# Altium PCB SuperKnobLite-v1.3.PcbDoc
Units mm, origin at the board's own origin, x right, y up, seen from the top; angles counter-clockwise.
Board outline 42 x 23 mm, 2 copper layers (Layer 1, Layer 4), stack 0.325 mm thick; 57 components, 49 nets, 249 pads, 210 vias.
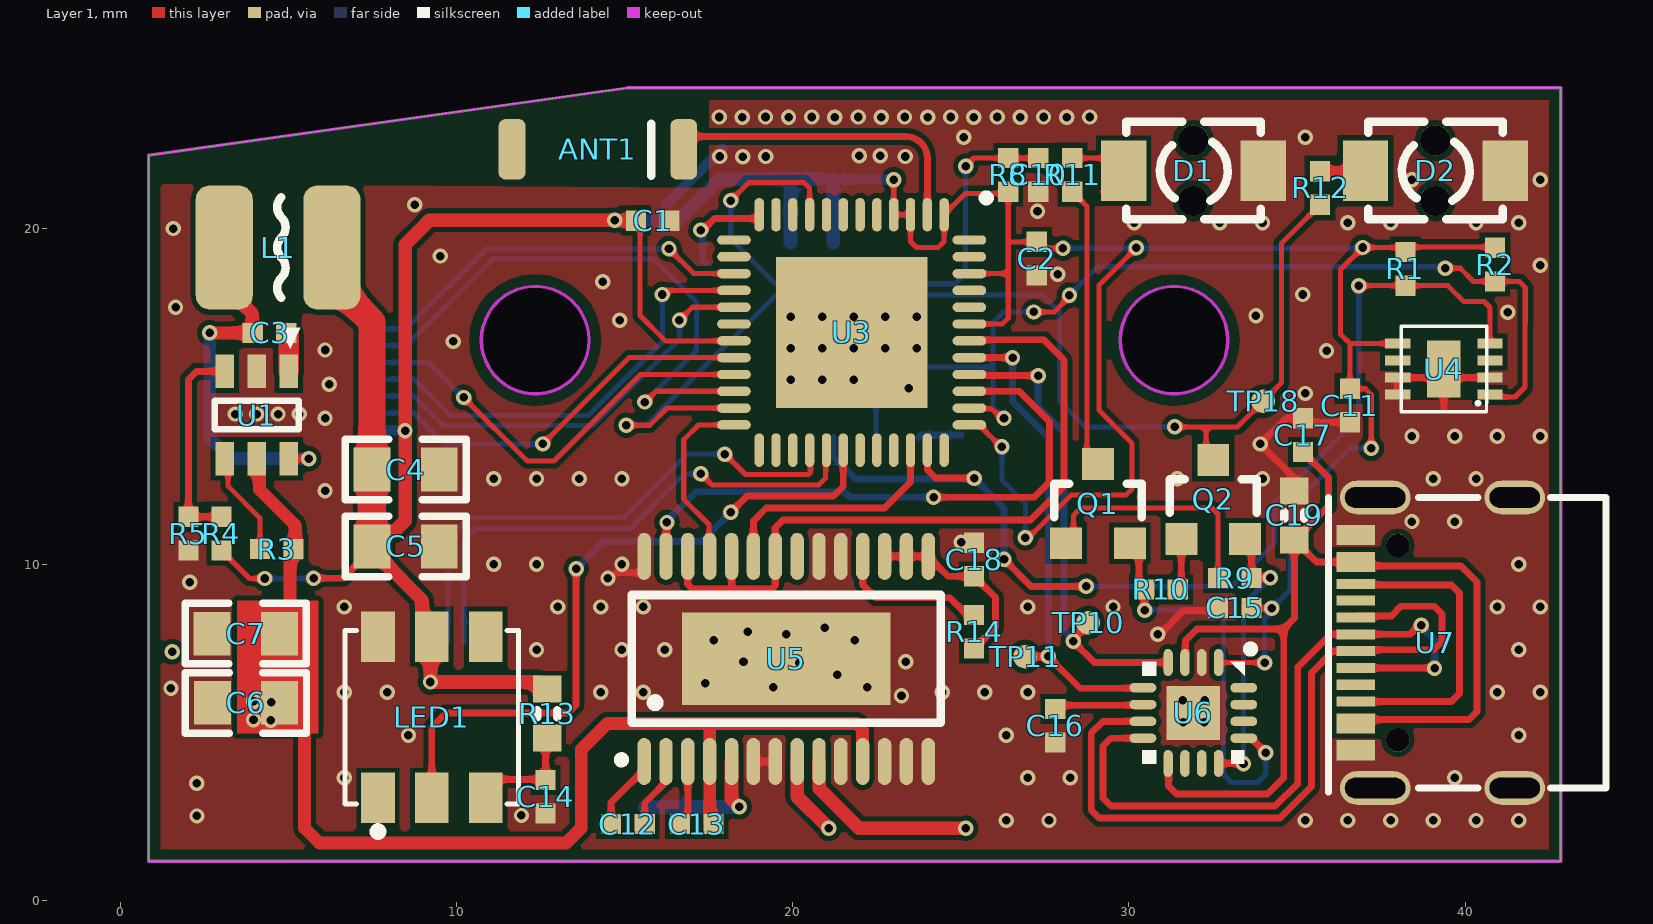
[diagram p0: Layer 1 view]
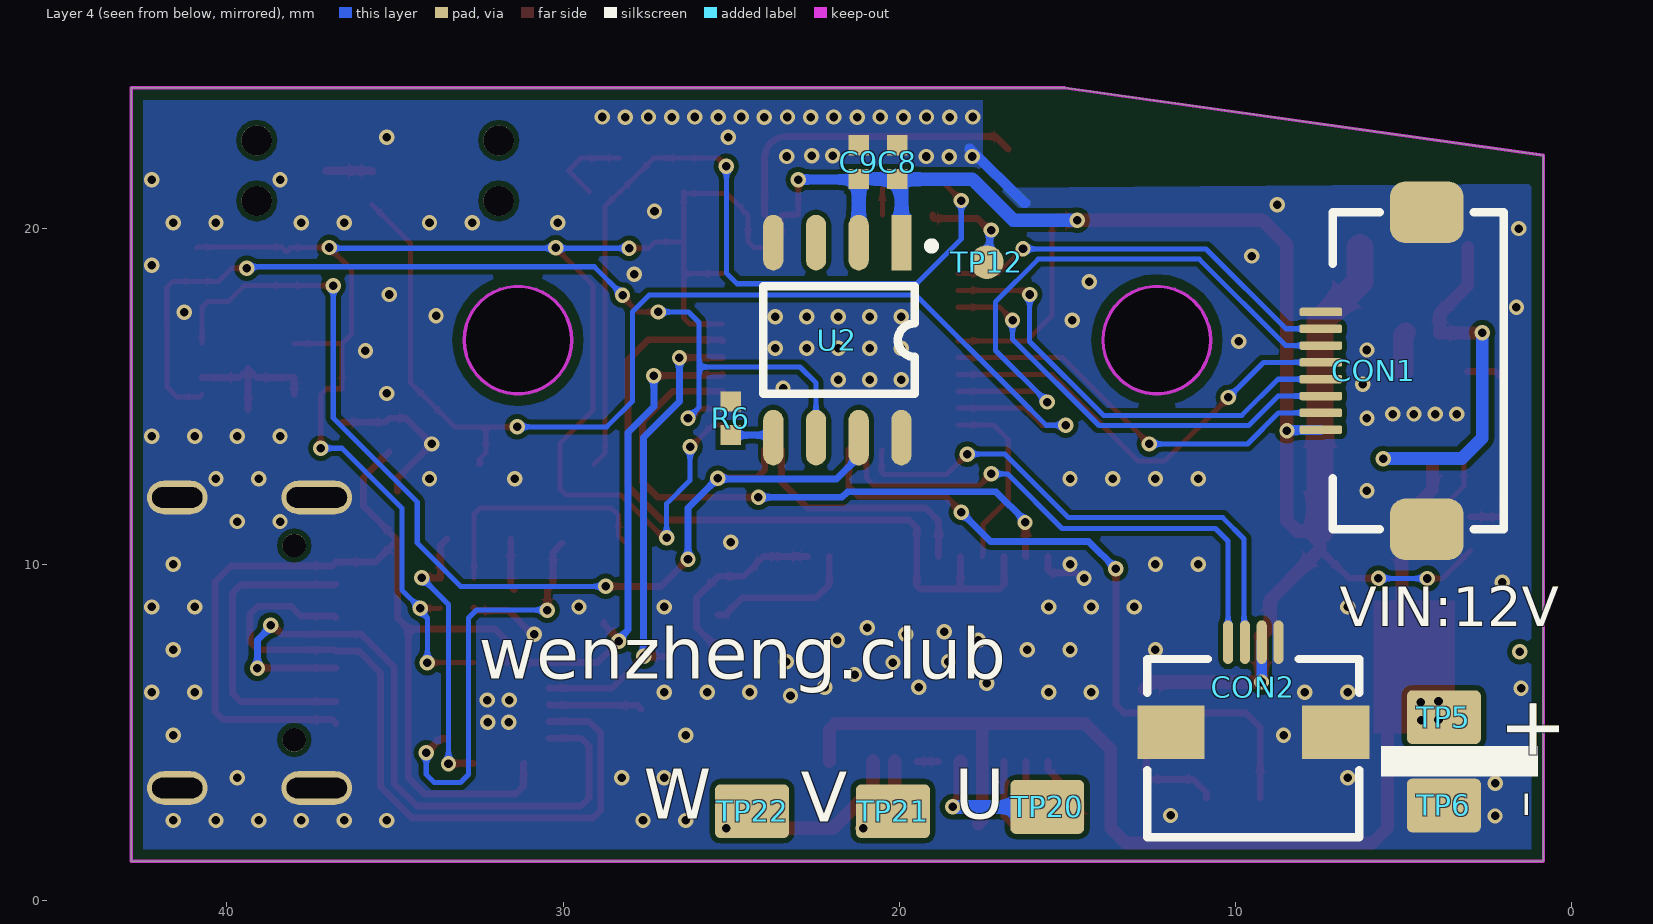
[diagram p1: Layer 4 view, seen from below]
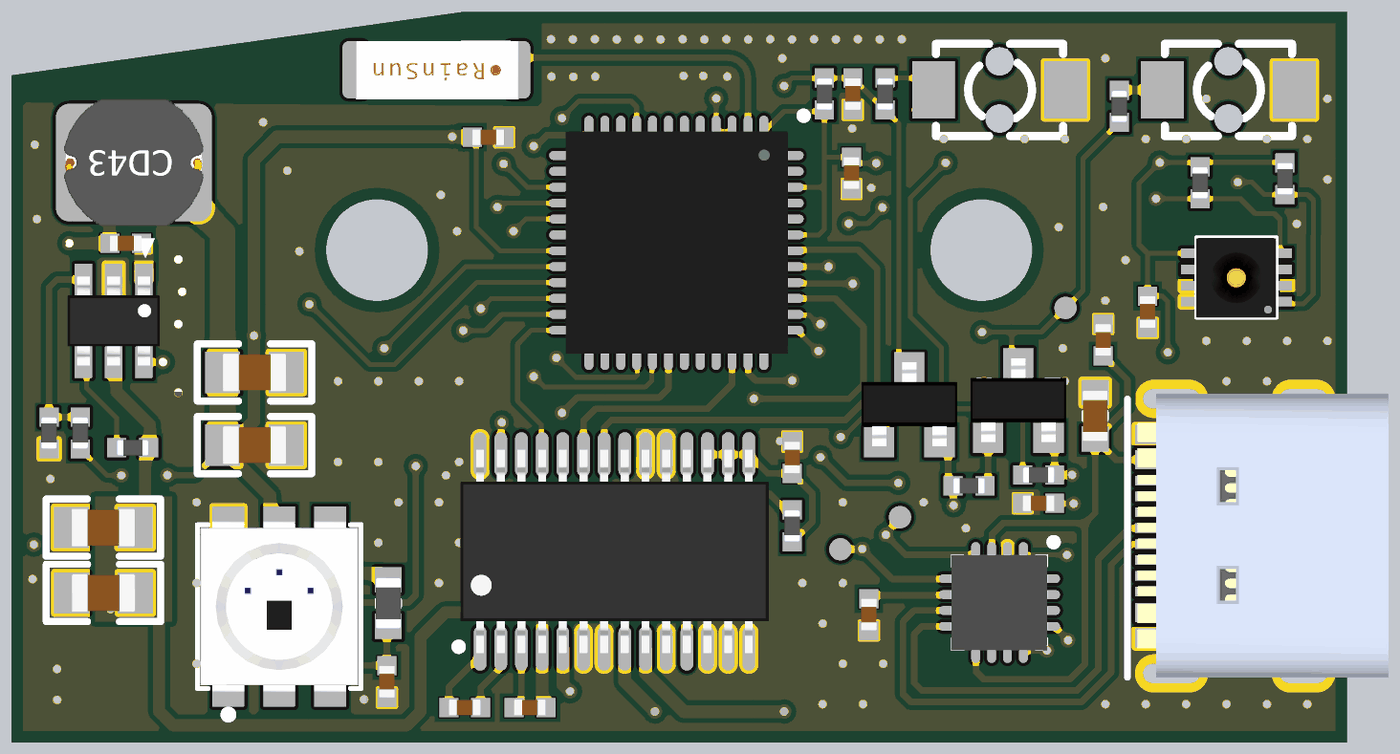
[diagram p2: 3D render of the assembled board from above, using the file's embedded part models]
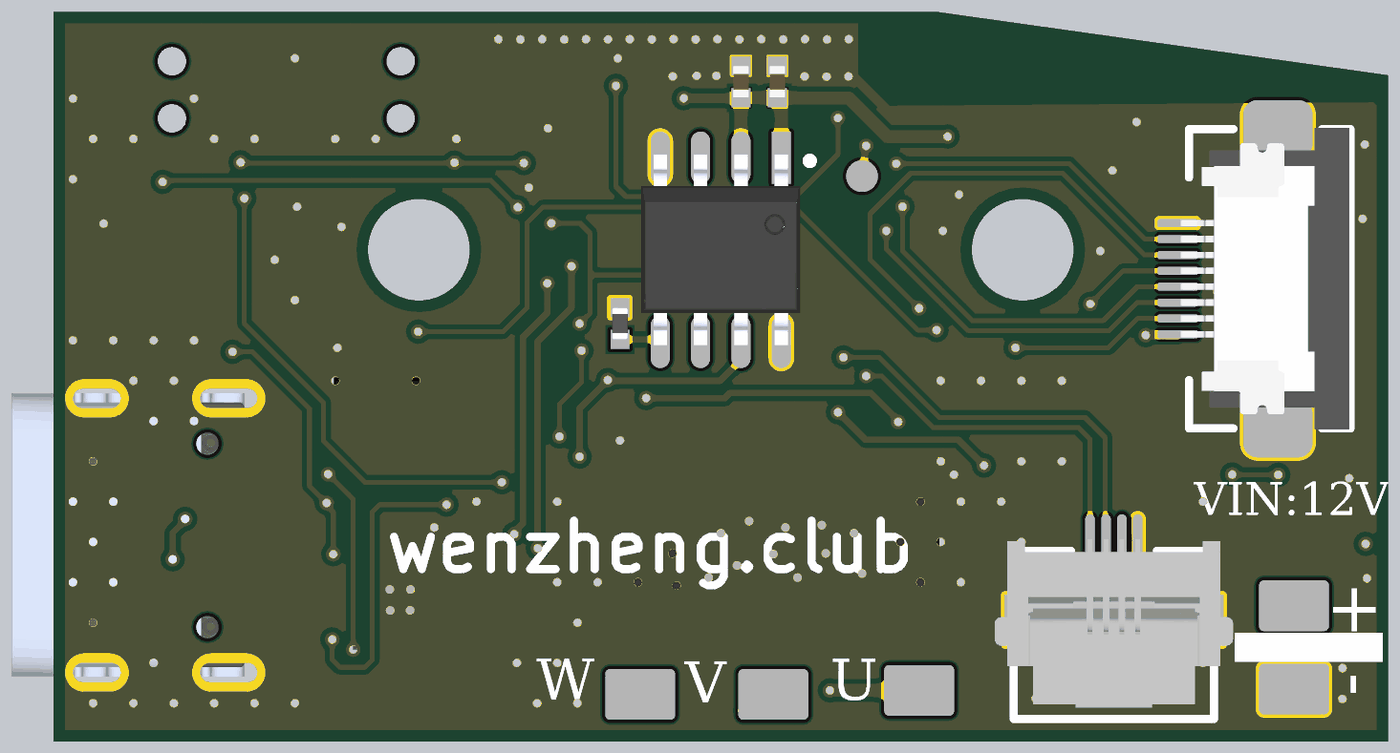
[diagram p3: 3D render of the assembled board from below, using the file's embedded part models]

## Layer stack, top to bottom
Top Solder: solder mask 0.0102, Solder Resist, Dk 3.5
Layer 1: signal copper 0.0356
Dielectric 2: core 0.254, PP-006, Dk 4.2
Layer 4: signal copper 0.0356
Bottom Solder: solder mask 0.0102, Solder Resist, Dk 3.5

## Board outline
0.847,1.177 0.847,22.177 15.077,24.177 42.847,24.177 42.847,1.177
cut-out: 12.347,15.077 cw(c12.347,16.677) 10.747,16.677 cw(c12.347,16.677) 12.347,18.277 cw(c12.347,16.677) 13.947,16.677 cw(c12.347,16.677)
cut-out: 31.347,15.077 cw(c31.347,16.677) 29.747,16.677 cw(c31.347,16.677) 31.347,18.277 cw(c31.347,16.677) 32.947,16.677 cw(c31.347,16.677)

## Design rules (kind name [scope] priority, off if disabled: settings)
Clearance Clearance_UVW1 [InComponent('TP14') vs InComponent('TP15')] p1: gap=0 ignorepadtopadclearanceinfootprint=FALSE
Clearance Clearance_UVW [InComponent('R15') vs InComponent('TP16')] p2: gap=0 ignorepadtopadclearanceinfootprint=FALSE
Clearance Clearance_outline [OnLayer('Keep-Out Layer')] p3: gap=0.305 ignorepadtopadclearanceinfootprint=FALSE except(0: Arc-Hole Track-Hole SMDPad-Hole THPad-Hole Via-Hole Fill-Hole Poly-Hole Region-Hole Text-Hole)
Clearance [All] p4: gap=0.152 ignorepadtopadclearanceinfootprint=FALSE except(0: Arc-Hole Track-Hole SMDPad-Hole THPad-Hole Via-Hole Fill-Hole Poly-Hole Region-Hole Text-Hole; 0.178: SMDPad-SMDPad; 0.203: Arc-Via Track-Via SMDPad-Via THPad-Via Via-Via)
DiffPairsRouting [All] p1: maxlimit=0.254 minlimit=0.203 mostfreqgap=0.203 toplayer_minwidth=0.203 toplayer_maxwidth=0.203 toplayer_prefwidth=0.203 bottomlayer_minwidth=0.203 bottomlayer_maxwidth=0.203 bottomlayer_prefwidth=0.203 maxuncoupledlength=12.7
HoleToHoleClearance [All] p1: gap=0 allowstackedmicrovias=TRUE
MinimumSolderMaskSliver [All] p1: minsoldermaskwidth=0
PolygonConnect [All] p1: connectstyle=Direct reliefconductorwidth=0.254 reliefentries=4 polygonreliefangle="90 Angle" airgapwidth=0.254
RoutingVias [All] p1: holewidth=0.254 width=0.457 viastyle="Through Hole" minholewidth=0.254 minwidth=0.457 maxholewidth=0.254 maxwidth=0.457
SilkToSilkClearance [All] p1: silktosilkclearance=0
SilkToSolderMaskClearance [IsPad] p1: minsilkscreentomaskgap=0 clearancetoexposedcopper=TRUE
SolderMaskExpansion [All] p1: expansion=0.102 istentingtop=FALSE
Width [All] p1: maxlimit=2.54 minlimit=0.152 preferedwidth=0.152
25 further rules are at their usual default settings.

## Components (designator, comment, footprint, x,y, rotation, side; value= is the part's Value field where it differs from the comment)
ANT1 "RAINSUN" ANT-RAINSUN-AN5120 14.224,22.352 r180 top
C1 "1uF/10V" CAPC_0402 15.845,20.229 r180 top value=0.1u
C2 "100nF/25V" CAPC_0402 27.264,19.1 r90 top value=0.1u
C3 "10nF/25V" CAPC_0402 4.445,16.891 r0 top value=0.1u
C4 "22uF/6.3V" CAPC_0805 8.493,12.827 r180 top value=0.1u
C5 "22uF/6.3V" CAPC_0805 8.493,10.541 r180 top value=0.1u
C6 "10uF/16V" CAPC_0805 3.744,5.89 r0 top value=0.1u
C7 "10uF/16V" CAPC_0805 3.738,7.946 r0 top value=0.1u
C8 "100nF/25V" CAPC_0402 20.066,21.971 r270 bottom value=0.1u
C9 "10uF/10V" CAPC_0402 21.212,21.971 r270 bottom value=0.1u
C10 "100nF/25V" CAPC_0402 27.305,21.59 r90 top value=0.1u
C11 "100nF/25V" CAPC_0402 36.576,14.732 r90 top value=0.1u
C12 "10nF/25V" CAPC_0402 15.105,2.286 r180 top value=0.1u
C13 "100nF/25V" CAPC_0402 17.153,2.286 r180 top value=0.1u
C14 "100nF/25V" CAPC_0402 12.656,3.099 r270 top value=0.1u
C15 "100nF/25V" CAPC_0402 33.15,8.712 r180 top value=0.1u
C16 "100nF/25V" CAPC_0402 27.813,5.207 r90 top value=0.1u
C17 "100nF/25V" CAPC_0402 35.179,13.851 r270 top value=0.1u
C18 "470nF/25V" CAPC_0402 25.4,10.152 r270 top value=0.1u
C19 "10uF" CAPC_0603 34.925,11.462 r270 top
CON1 "FPC_0.5mm_8P" FFC_0.5_8 5.207,15.764 r90 bottom
CON2 "FPC_0.5mm_4P" FPC_0.5_4P 9.477,6.352 r180 bottom
D1 "KEY_M" KEY 31.92,21.717 r180 top
D2 "KEY_M" KEY 39.116,21.717 r180 top
L1 "2.2uH/2A" INDUCTOR_CD_43 4.699,19.431 r180 top value=WPN4020H2R2MT
LED1 "WS2812S-W" LED-SMD_6P-L5.0-W5.0-TL 9.271,5.461 r90 top locked
Q1 "MMBT3904" SOT23_3 29.083,11.811 r270 top
Q2 "MMBT3904" SOT23_3 32.512,11.938 r270 top
R1 "10K" RESC_0402 38.227,18.796 r90 top value=22R
R2 "10K" RESC_0402 40.894,18.923 r90 top value=22R
R3 "100K" RESC_0402 4.663,10.461 r180 top value=22R
R4 "100K" RESC_0402 3.014,10.922 r90 top value=22R
R5 "22.2K" RESC_0402 2.032,10.922 r270 top value=22R
R6 "1K" RESC_0402 25.019,14.351 r90 bottom value=22R
R8 "10K" RESC_0402 26.416,21.59 r90 top value=22R
R9 "12K" RESC_0402 33.15,9.601 r0 top value=22R
R10 "12K" RESC_0402 30.958,9.261 r180 top value=22R
R11 "1K" RESC_0402 28.321,21.59 r270 top value=22R
R12 "1K" RESC_0402 35.687,21.201 r270 top value=22R
R13 "150R" RESC_0603 12.7,5.568 r270 top value=22R
R14 "10K" RESC_0402 25.4,8.001 r270 top value=22R
TP5 "TP" TP_1.6x2.2mm 3.81,5.461 r270 bottom
TP6 "TP" TP_1.6x2.2mm 3.81,2.837 r270 bottom
TP10 "TP" TP 28.79,8.274 r90 top
TP11 "TP" TP 26.914,7.263 r90 top
TP12 "TP" "TP - 1mm" 17.402,18.997 r90 bottom
TP18 "TP" TP 33.995,14.859 r90 top
TP20 "U" TP_1.6X2.2MM 15.605,2.794 r90 bottom
TP21 "V" TP_1.6X2.2MM 20.193,2.667 r90 bottom
TP22 "W" TP_1.6X2.2MM 24.384,2.667 r90 bottom
U1 "LP6460B6F" SOT23_6 4.064,14.448 r270 top
U2 "AS5600-ASOT" SOIC_8 21.847,16.677 r0 bottom locked
U3 "ESP32_SIP" QFN-48_7X7 21.717,16.637 r270 top
U4 "SHT30-DIS-B" DFN_8 39.37,15.816 r180 top
U5 "DRV8313PWP" TSSOP_28 19.812,7.196 r0 top locked
U6 "CH343P" QFN16_3X3 31.92,5.588 r270 top value=Value
U7 "TYPE-C_16P" Type_c_16p 39.116,7.677 r90 top locked

## Footprints (in the part's own frame and the unit in brackets; to place one, negate y for a bottom-side part, rotate by r counter-clockwise, add the part's x,y. Pads: shape width x height; smd on the part's side, far side on the other; paste and mask are expansions set on the pad)
ANT-RAINSUN-AN5120 [mm] "选择焊盘"
  rrect50% 0.8x1.8 smd: 1(-2.54,0) ""(2.563,0)
  silkscreen extent -1.57,-0.76 -1.57,0.79, body extent -2.57,-0.91 2.54,0.94, height 1.32
CAPC_0402 [mm]
  rect 0.6x0.6 smd mask+0.051: 1(-0.5,0) 2(0.5,0)
  body extent -0.5,-0.25 0.5,0.25, height 0.5
CAPC_0603 [mm]
  rect 0.8x0.85 smd: 1(-0.73,0) 2(0.73,0)
  silkscreen extent -0.1,-0.3 0.1,0.3, body extent -0.8,-0.4 0.8,0.4, height 0.6
CAPC_0805 [mm]
  rect 1.1x1.3 smd: 1(-1,0) 2(1,0)
  silkscreen extent -1.8,-0.9 1.8,0.9, body extent -1,-0.6 1,0.6, height 0.95
DFN_8 [mm]
  rect 0.75x0.3 smd: 1(-1.37,0.762) 2(-1.37,0.254) 3(-1.37,-0.254) 4(-1.37,-0.762) 5(1.37,-0.762) 6(1.37,-0.254) 7(1.37,0.254) 8(1.37,0.762)
  rect 1.001x1.702 smd: 9(0,0)
  silkscreen extent -1.27,-1.27 1.27,1.27, body extent -1.25,-1.24 1.27,1.26, height 0.9
FFC_0.5_8 [mil]
  rrect50% 72x86 smd: 0(-185.63,-35) 0(185.63,-35)
  rrect50% 10x50 smd: 1(-68.9,89) 2(-49.21,89) 3(-29.53,89) 4(-9.84,89) 5(9.84,89) 6(29.53,89) 7(49.21,89) 8(68.9,89)
  silkscreen extent -186,-125 186,75, body extent -187,-124 187,87, height 82
FPC_0.5_4P [mm]
  rect 2x1.6 smd: 0(-2.45,-1.34) 0(2.45,-1.34)
  oval 0.3x1.3 smd: 1(-0.75,1.34) 2(-0.25,1.34) 3(0.25,1.34) 4(0.75,1.34)
  silkscreen extent -3.15,-4.46 3.15,0.84, body extent -3.75,-4.1 3.75,1.2, height 1.88
INDUCTOR_CD_43 [mm]
  rrect50% 1.7x3.7 smd: 1(-1.6,0) 2(1.6,0)
  silkscreen extent -0.22,-1.5 0.02,1.5, body extent -2.2,-2 2.2,2, height 3.25
KEY [mm]
  rect 1.35x1.8 smd: 1(-2.075,0) 2(2.075,0)
  round 0.9 hole 0.9 unplated: ""(0,0.9) ""(0,-0.9)
  silkscreen extent -2,-1.45 2,1.45
LED-SMD_6P-L5.0-W5.0-TL [mm]
  rect 1.5x1 smd: 1(-2.4,1.6) 2(-2.4,0) 3(-2.4,-1.6) 4(2.4,-1.6) 5(2.4,0) 6(2.4,1.6)
  silkscreen extent -3.52,-2.58 2.58,2.58, body extent -2.7,-2.47 2.7,2.48, height 1.6
QFN16_3X3 [mm]
  oval 0.8x0.28 smd: 1(-1.5,0.75) 2(-1.5,0.25) 3(-1.5,-0.25) 4(-1.5,-0.75) 9(1.5,-0.75) 10(1.5,-0.25) 11(1.5,0.25) 12(1.5,0.75)
  oval 0.28x0.8 smd: 5(-0.75,-1.5) 6(-0.25,-1.5) 7(0.25,-1.5) 8(0.75,-1.5) 13(0.75,1.5) 14(0.25,1.5) 15(-0.25,1.5) 16(-0.75,1.5)
  rect 1.6x1.6 smd: 17(0,0)
  silkscreen extent -2,-1.53 1.52,1.8, body extent -1.52,-1.53 1.53,1.52, height 0.9
QFN-48_7X7 [mm]
  rect 4.5x4.5 smd: 0(-0.268,0.042)
  oval 1x0.28 smd: 1(-3.768,2.792) 2(-3.768,2.292) 3(-3.768,1.792) 4(-3.768,1.292) 5(-3.768,0.792) 6(-3.768,0.292) 7(-3.768,-0.208) 8(-3.768,-0.708) 9(-3.768,-1.208) 10(-3.768,-1.708) 11(-3.768,-2.208) 12(-3.768,-2.708) 25(3.232,-2.708) 26(3.232,-2.208) 27(3.232,-1.708) 28(3.232,-1.208) 29(3.232,-0.708) 30(3.232,-0.208) 31(3.232,0.292) 32(3.232,0.792) 33(3.232,1.292) 34(3.232,1.792) 35(3.232,2.292) 36(3.232,2.792)
  oval 0.28x1 smd: 13(-3.018,-3.458) 14(-2.518,-3.458) 15(-2.018,-3.458) 16(-1.518,-3.458) 17(-1.018,-3.458) 18(-0.518,-3.458) 19(-0.018,-3.458) 20(0.482,-3.458) 21(0.982,-3.458) 22(1.482,-3.458) 23(1.982,-3.458) 24(2.482,-3.458) 37(2.482,3.542) 38(1.982,3.542) 39(1.482,3.542) 40(0.982,3.542) 41(0.482,3.542) 42(-0.018,3.542) 43(-0.518,3.542) 44(-1.018,3.542) 45(-1.518,3.542) 46(-2.018,3.542) 47(-2.518,3.542) 48(-3.018,3.542)
  silkscreen extent -4.37,3.94 -4.17,4.14, body extent -3.79,-3.46 3.23,3.56, height 0.78
RESC_0402 [mm]
  rect 0.6x0.6 smd: 1(-0.5,0) 2(0.5,0)
  body extent -0.5,-0.25 0.5,0.25, height 0.38
RESC_0603 [mm]
  rect 0.8x0.85 smd: 1(-0.73,0) 2(0.73,0)
  silkscreen extent -0.1,-0.3 0.1,0.3, body extent -0.8,-0.4 0.8,0.4, height 0.38
SOIC_8 [mm]
  rect 0.6x1.65 smd: 1(-1.905,-2.9)
  oval 0.6x1.65 smd: 2(-0.635,-2.9) 3(0.635,-2.9) 4(1.905,-2.9) 5(1.905,2.9) 6(0.635,2.9) 7(-0.635,2.9) 8(-1.905,2.9)
  silkscreen extent -2.9,-2.9 2.2,1.6, body extent -2.5,-3.01 2.5,3.01, height 1.75
SOT23_3 [mm]
  rect 0.95x0.95 smd: 1(1.175,-0.95) 2(1.175,0.95) 3(-1.175,0)
  silkscreen extent -0.6,-1.3 0.4,1.3, body extent -1.34,-1.5 1.3,1.5, height 1.08
SOT23_6 [mm]
  rect 1x0.55 smd: 1(-1.3,0.95) 2(-1.3,0) 3(-1.3,-0.95) 4(1.3,-0.95) 5(1.3,0) 6(1.3,0.95)
  silkscreen extent -2.6,-1.25 0.43,1.3, body extent -1.4,-1.45 1.4,1.45, height 1.45
TP [mm]
  round 0.7 smd: 1(0,0)
"TP - 1mm" [mm]
  round 1 smd: 1(0,0)
TP_1.6x2.2mm [mm]
  rrect20% 1.6x2.2 smd: 1(0,0)
TP_1.6X2.2MM [mm]
  rrect20% 1.6x2.2 smd: 1(0,0)
TSSOP_28 [mm] "0.65"
  oval 0.4x1.4 smd: 1(-4.225,-3.05) 2(-3.575,-3.05) 3(-2.925,-3.05) 4(-2.275,-3.05) 5(-1.625,-3.05) 6(-0.975,-3.05) 7(-0.325,-3.05) 8(0.325,-3.05) 9(0.975,-3.05) 10(1.625,-3.05) 11(2.275,-3.05) 12(2.925,-3.05) 13(3.575,-3.05) 14(4.225,-3.05) 15(4.225,3.05) 16(3.575,3.05) 17(2.925,3.05) 18(2.275,3.05) 19(1.625,3.05) 20(0.975,3.05) 21(0.325,3.05) 22(-0.325,3.05) 23(-0.975,3.05) 24(-1.625,3.05) 25(-2.275,3.05) 26(-2.925,3.05) 27(-3.575,3.05) 28(-4.225,3.05)
  rect 6.2x2.75 smd: 29(0,0)
  silkscreen extent -5,-3.1 4.6,1.9, body extent -4.85,-3.2 4.85,3.2, height 1.2
Type_c_16p [mm]
  oval 1x1.8 hole 0.61 slot 1.5 at 90 deg: 0(-4.32,-2.362) 0(4.32,-2.362)
  oval 1x2.1 hole 0.61 slot 1.8 at 90 deg: 0(-4.32,1.787) 0(4.32,1.787)
  rect 0.6x1.15 smd: A1B12(-3.2,2.363) A4B9(-2.4,2.363) B1A12(3.2,2.363) B4A9(2.4,2.363)
  rect 0.3x1.15 smd: A5(-1.25,2.363) A6(-0.25,2.363) A7(0.25,2.363) A8(-1.75,2.363) B5(1.75,2.363) B6(0.75,2.363) B7(-0.75,2.363) B8(1.25,2.363)
  round 0.7 hole 0.7 unplated: ""(-2.89,1.117) ""(2.89,1.117)
  silkscreen extent -4.44,-5.08 4.32,3.18, body extent -4.45,-5.04 4.49,2.86, height 3.26

## Part data
ANT1: library part ANT-Rainsun-AP5120, "贴片天线"
C1 C2 C3 C4 C5 C6 C7 C8 C9 C10 C11 C12 C13 C14 C15 C16 C17 C18: library part 电容-0402, "贴片电容"
C19: library part Cap
CON1 CON2: "FPC连接器"
D1 D2: library part KEY, "按键"
L1: library part PL4020, "贴片电感", Material name=功率电感, PCB DECAL=PL4020
LED1: BOM_JLCPCB Part Class="Extended Part", BOM_Manufacturer=Worldsemi, BOM_Manufacturer Part=WS2812S-W, BOM_Supplier=LCSC, BOM_Supplier Part=C114584, Contributor=LCSC, spicePre=L, spiceSymbolName=WS2812S-W
Q1 Q2: library part SMT_TRIODE_NPN, "Surface mount NPN transistor, package SOT-23"
R1 R2 R3 R4 R5 R6 R8 R9 R10 R11 R12 R13 R14: library part 电阻-0402, "贴片电阻"
TP5 TP6 TP10 TP11 TP12 TP18: "测试点"
TP20 TP21 TP22: library part TP, "测试点"
U1: "DC-DC芯片"
U2: "磁编码器", BOM_JLCPCB Part Class="Extended Part", BOM_Manufacturer="Advanced Monolithic Systems", BOM_Manufacturer Part=AS5600-ASOT, BOM_Supplier=LCSC, BOM_Supplier Part=C499458, Contributor=LCSC, spicePre=U, spiceSymbolName=AS5600-ASOT
U3: library part ESP32-PICO, "主控芯片"
U4: "Sensor"
U5: "驱动芯片", BOM_Manufacturer=TI(德州仪器), BOM_Manufacturer Part=DRV8313PWP, BOM_Supplier=LCSC, BOM_Supplier Part=C2863441, Contributor=LCSC, spicePre=U, spiceSymbolName=DRV8313PWP
U6: "USB转TTL", PART NUMBER=CP2102, MFG #1="SILICON LABS", PART DESC="SINGLE-CHIP USB TO UART BRIDGE, QFN28, RoHS.", RefDes=RefDes, Type=DEV
U7: "Type-c"

## Via types
v1: diameter 0.457, hole 0.254, Layer 1 to Layer 4, tented both sides, 210 vias

## Nets (pads, with @x,y where several pads share a name; then routed paths per layer and width w, separated by ;. In a path a pad name is that pad's centre, name@x,y a point inside that pad or via, vN(x,y) a via of type N, cw(c..) or ccw(c..) an arc to the next point about the centre after c; other vN are vias at no path point)
3V3: C1.2 C2.2 C4.2 C5.2 C8.2 C9.2 C11.2 C15.1 CON1.1 CON2.3 L1.1 LED1.5 R1.2 R2.2 R4.1 R8.1 R13.1 U2.1 U2.2 U3.1 U3.3 U3.4 U3.19 U3.37 U3.43 U3.46 U4.5 U6.1 | length 121.8
  Layer 1 w0.152: R4.1 3.848,9.588 v1(4.306,9.588) ; C1.2 15.466,20.107 15.466,17.406 16.217,16.655 U3.19 ; v1(23.011,21.451) 23.009,21.449 U3.4 U3.3 23.509,19.61 23.688,19.431 24.194,19.431 24.195,19.433 24.331,19.433 24.509,19.611 U3.1 25.146,21.042 26.368,21.042 R8.1 26.416,19.558 ; U3.37 25.548,14.155 26.228,13.475 v1(26.228,13.501) ; U3.43 26.237,17.155 26.416,17.334 26.416,18.655 ; U3.46 26.416,18.655 ; v1(26.924,10.795) 27.01,10.795 28.28,12.065 29.912,12.065 30.099,12.252 30.099,13.607 29.114,14.591 29.114,18.311 v1(30.226,19.423) ; v1(28.043,19.41) 27.455,19.41 C2.2 26.458,19.6 26.416,19.558 ; U6.1 32.673,7.085 v1(34.039,7.085) ; C15.1 33.662,8.7 v1(34.25,8.7) ; v1(37.211,13.462) 37.211,15.054 37.033,15.232 C11.2 36.576,16.574 ; U4.5 36.58,16.578 36.576,16.574 ; R2.2 40.875,19.442 38.373,19.442 R1.2 38.092,19.431 v1(36.957,19.431) 36.3,18.774 36.3,16.85 36.576,16.574 ; 26.416,18.655 26.416,19.558
  Layer 1 w0.2: v1(5.755,9.596) 6.63,9.596 7.025,9.991 7.043,9.991 7.493,10.441 C5.2
  Layer 1 w0.4: C5.2@7.893,10.04 8.974,8.959 ; C5.2@7.893,10.041 7.493,10.441 C5.2 7.493,10.641 7.843,10.991 8.163,10.991 8.475,11.303 v1(8.476,13.986) 8.475,19.515 9.026,20.066
  Layer 1 w0.406: C4.2 C4.2@7.493,12.927 ; 8.974,8.959 8.974,8.158 LED1.5 9.232,7.822 v1(9.232,6.51) 12.488,6.51 R13.1 ; 9.026,20.066 9.205,20.245 v1(14.71,20.245) 14.718,20.237 15.336,20.237 C1.2
  Layer 1 w0.8: L1.1 6.299,18.417 7.493,17.223 C4.2@7.493,12.927 ; C5.2@7.493,10.991 C4.2
  Layer 4 w0.152: v1(4.306,9.588) 5.747,9.588 v1(5.755,9.596) ; v1(26.228,13.501) 26.228,12.507 26.924,11.811 v1(26.924,10.795) ; v1(28.043,19.41) 36.936,19.41 v1(36.957,19.431) ; v1(34.039,7.085) 34.039,8.407 34.25,8.617 v1(34.25,8.7) 34.791,9.241 34.791,11.677 36.576,13.462 v1@37.084,13.462
  Layer 4 w0.3: CON1.1@7.482,14 8.461,14 v1(8.476,13.986)
  Layer 4 w0.305: CON2.3 9.224,7.69 9.224,6.47 9.232,6.478 v1(9.232,6.51) ; 20.828,21.471 20.836,21.463 21.212,21.463 21.224,21.451 v1(23.011,21.451)
  Layer 4 w0.406: v1(14.71,20.245) 16.613,20.245 17.831,21.463 19.969,21.463 19.977,21.471 C8.2 ; U2.1 19.942,21.347 C8.2 ; 20.828,21.471 C8.2 ; U2.2 C9.2@21.212,21.463
12V: C6.2 C7.2 C13.1 R3.1 TP5.1 U1.5 U5.4 U5.11 | length 36
  Layer 1 w0.381: U1.5 4.149,13.063 4.149,12.234 5.207,11.176 R3.1@5.207,10.461 ; R3.1 5.056,10.354 5.056,8.264 C7.2 4.741,7.943 4.741,5.893 C6.2 4.744,5.79 5.49,5.044 5.49,2.169 5.936,1.722 13.27,1.722 13.716,2.169 13.716,4.504 14.489,5.277 21.574,5.277 21.901,5.277 22.083,5.095 U5.11@22.083,4.655 ; 17.537,5.186 U5.4 17.537,2.402 C13.1 ; U5.11@22.083,4.655 22.083,4.15 U5.11 22.087,4.651 U5.11@22.083,4.655
  other v1: 4.48,5.367 3.969,5.383 3.968,5.932 4.499,5.913
BLK: CON1.7 U3.15 | length 12.1
  Layer 1 w0.152: v1(16.326,19.389) 17.06,18.655 U3.15
  Layer 4 w0.152: CON1.7 8.505,17.014 10.88,19.389 v1(16.326,19.389)
BOOT: C10.2 Q1.3 R8.2 R11.2 U3.9 | length 27.5
  Layer 1 w0.152: v1(18.161,20.828) 18.699,21.366 20.331,21.366 20.509,21.188 U3.9 ; v1(25.146,21.844) 25.392,22.09 R8.2 C10.2 28.305,21.09 R11.2 28.752,20.659 28.752,13.317 Q1.3
  Layer 4 w0.152: v1(18.161,20.828) 18.161,19.685 19.494,18.352 24.832,18.352 25.146,18.666 v1(25.146,21.844)
CC1: U7.A8 U7.B5 | length 9.4
  Layer 1 w0.203: U7.A8 39.595,5.927 39.833,6.165 39.833,9.16 39.595,9.398 36.782,9.398 U7.B5
CS: CON1.5 U3.21 | length 13.1
  Layer 1 w0.152: v1(10.218,14.971) 12.109,13.081 12.902,13.081 15.477,15.655 U3.21
  Layer 4 w0.152: CON1.5 9.176,16.014 v1(10.218,14.971)
DC: CON1.4 U3.16 | length 13.6
  Layer 1 w0.152: v1(16.129,18.034) 16.25,18.155 U3.16
  Layer 4 w0.152: CON1.4 8.743,15.514 9.818,14.439 13.931,14.439 16.129,16.637 v1(16.129,18.034)
DTR: Q2.2 R9.2 U6.12 | length 8.4
  Layer 1 w0.203: U6.12 33.404,4.088 v1(33.412,4.08) ; Q2.2 33.65,10.575 R9.2 33.691,9.643 33.728,9.606 v1(34.203,9.606)
  Layer 4 w0.152: v1(33.412,4.08) 33.412,8.815 v1(34.203,9.606)
EN: U3.42 U5.22 U5.24 U5.26 | length 22.2
  Layer 1 w0.203: U5.26 16.887,9.402 17.018,9.271 18.187,9.271 18.288,9.271 ; U5.24 18.187,9.372 18.288,9.271 ; U3.42 25.293,16.689 27.47,16.689 28.071,16.087 28.071,12.323 27.076,11.328 19.71,11.328 19.487,11.105 U5.22 19.487,9.376 19.382,9.271 18.288,9.271
GND: C1.1 C2.1 C4.1 C5.1 C6.1 C7.1 C8.1 C9.1 C10.1 C11.1 C14.2 C15.2 C16.1 C17.1 C18.1 C19.1 CON1.0 CON1.8 CON2.0 CON2.4 D1.1 D2.1 LED1.6 R5.2 R6.2 TP6.1 U1.2 U2.4 U2.8 U3.0 U4.2 U4.7 U4.8 U4.9 U5.6 U5.7 U5.10 U5.12 U5.13 U5.14 U5.19 U5.20 U5.28 U5.29 U6.2 U6.17 U7.0 U7.A1B12 U7.B1A12 | length 16.1
  Layer 1 w0.203: v1(14.511,9.592) 14.579,9.592 14.745,9.757 15.496,9.757 15.587,9.848 U5.28 ; U5.6 U5.7 ; v1(30.861,7.927) 30.922,7.927 31.627,8.632 32.569,8.632 C15.2 ; C19.1 34.925,12.573 v1(33.909,13.589) 34.671,14.351 C17.1 35.298,14.232 C11.1 ; U4.8 U4.7 39.116,15.562 U4.9 U4.9@39.37,15.666 ; 39.37,14.605 U4.9@39.37,15.666 ; U4.2 39.624,15.562 39.52,15.666 U4.9@39.37,15.666
  Layer 4 w0.305: 16.249,20.757 16.293,20.757 17.907,22.371
  other v1: 26.357,2.391 27.627,2.391 35.247,2.391 36.517,2.391 37.787,2.391 39.057,2.391 40.327,2.391 41.597,2.391 2.287,2.525 11.938,2.54 2.284,3.498 6.672,3.661 26.992,3.661 28.262,3.661 39.692,3.661 8.577,4.931 26.357,4.931 41.597,4.931 31.623,5.317 32.25,5.313 31.611,5.973 32.263,5.973 23.241,6.096 6.672,6.201 7.942,6.201 14.292,6.201 15.562,6.201 24.452,6.201 25.722,6.201 26.992,6.201 40.962,6.201 42.232,6.201 1.514,6.326 19.431,6.35 22.225,6.35 17.399,6.477 21.336,6.731 20.193,7.088 18.542,7.112 23.368,7.112 12.387,7.471 14.927,7.471 16.197,7.471 41.597,7.471 17.653,7.747 21.844,7.747 19.812,7.927 18.669,8.001 20.955,8.128 6.672,8.741 13.022,8.741 14.292,8.741 15.562,8.741 26.992,8.741 29.532,8.741 40.962,8.741 42.232,8.741 2.074,9.476 11.117,10.011 12.387,10.011 14.927,10.011 41.597,10.011 25.019,10.668 38.422,11.281 39.692,11.281 6.096,12.192 11.117,12.551 12.387,12.551 13.657,12.551 14.927,12.551 31.437,12.551 33.977,12.551 39.057,12.551 40.327,12.551 38.422,13.821 39.692,13.821 40.962,13.821 42.232,13.821 6.096,14.351 3.429,14.478 4.064,14.478 4.699,14.478 5.334,14.478 35.247,15.091 23.463,15.24 6.223,15.367 19.951,15.495 20.888,15.495 21.824,15.495 35.882,16.361 6.096,16.383 19.951,16.432 20.888,16.432 21.824,16.432 22.761,16.432 23.697,16.432 9.906,16.637 14.859,17.272 19.951,17.368 20.888,17.368 21.824,17.368 22.761,17.368 23.697,17.368 33.782,17.399 41.266,17.503 1.651,17.653 35.179,18.034 14.351,18.415 27.886,18.637 42.232,18.901 9.525,19.177 1.582,19.995 30.167,20.171 32.707,20.171 33.977,20.171 36.517,20.171 37.787,20.171 40.327,20.171 41.597,20.171 27.286,20.504 8.763,20.701 38.422,21.441 42.232,21.441 17.831,22.138 18.516,22.132 19.209,22.138 23.357,22.138 21.985,22.158 22.605,22.158 25.087,22.711 35.247,22.711 18.503,23.305 19.881,23.305 21.26,23.305 22.638,23.305 24.016,23.305 25.395,23.305 26.773,23.305 28.151,23.305 17.817,23.312 19.196,23.312 20.574,23.312 21.952,23.312 23.33,23.312 24.709,23.312 26.087,23.312 27.465,23.312 28.844,23.312
GPIO0: Q2.3 R12.2 TP18.1 U3.23 | length 35.2
  Layer 1 w0.152: v1(15.056,14.146) 15.754,14.146 16.263,14.655 U3.23 ; v1(31.369,14.097) 32.301,14.097 ; Q2.3@32.433,13.033 32.48,12.986 Q2.3@32.512,12.986 ; Q2.3 32.301,13.324 32.301,14.097 ; R12.2 34.544,19.558 34.544,15.408 TP18.1 33.233,14.097 32.301,14.097
  Layer 4 w0.152: v1(15.056,14.146) 15.638,14.146 16.533,15.042 19.513,18.022 27.44,18.022 27.94,17.522 27.94,14.859 28.702,14.097 v1(31.369,14.097)
IIC_SCL: R1.1 U2.7 U3.35 U4.4 | length 32.7
  Layer 1 w0.152: v1(36.838,18.296) R1.1 39.489,18.296 39.961,17.824 40.561,17.824 40.74,17.646 U4.4
  Layer 1 w0.203: U3.35 24.009,12.821 24.257,12.573 v1(25.4,12.573) ; v1(26.289,10.16) 27.097,9.352 v1(28.736,9.352)
  Layer 4 w0.152: v1(28.736,9.352) 33.049,9.352 34.342,10.645 34.342,11.863 36.838,14.359 v1(36.838,18.296)
  Layer 4 w0.203: U2.7 21.212,13.205 21.869,12.548 25.375,12.548 v1(25.4,12.573) 26.289,11.684 v1(26.289,10.16)
IIC_SDA: R2.1 U2.6 U3.38 U4.1 | length 30.4
  Layer 1 w0.152: U3.38 25.284,14.631 25.927,14.631 26.207,14.351 v1(26.289,14.351) ; v1(27.178,17.514) 27.783,17.514 28.236,17.967 v1(28.236,18.017) ; v1(39.41,18.815) 39.859,18.815 40.251,18.423 R2.1 41.612,18.423 41.791,18.244 41.791,17.153 41.783,17.145 41.783,15.282 41.487,14.986 40.808,14.986 U4.1
  Layer 4 w0.152: U2.6 22.482,15.406 22.955,15.879 25.961,15.879 ; v1(26.289,14.351) 25.961,14.679 25.961,15.879 ; v1(27.178,17.514) 26.277,17.514 25.961,17.198 25.961,15.879 ; v1(28.236,18.017) 29.078,18.859 39.366,18.859 v1(39.41,18.815)
LED_DAT: LED1.2 U3.30 | length 20.8
  Layer 1 w0.203: LED1.2 9.271,5.169 9.69,5.588 13.326,5.588 13.564,5.826 v1(13.564,9.881) ; v1(18.161,11.557) 18.644,12.04 21.218,12.04 21.509,12.331 U3.30
  Layer 4 w0.203: v1(13.564,9.881) 14.374,10.691 17.295,10.691 v1(18.161,11.557)
MOSI: CON1.2 U3.20 | length 12.2
  Layer 1 w0.152: v1(12.573,13.589) 15.139,16.155 U3.20
  Layer 4 w0.152: CON1.2 8.727,14.514 9.652,13.589 v1(12.573,13.589)
NetANT1_1: ANT1.1 U3.2 | length 9.5
  Layer 1 w0.203: ANT1.1 17.145,22.733 23.368,22.733 cw(c23.368,22.092) 24.009,22.092 U3.2
NetC3_1: C3.1 L1.2 U1.6 | length 11.1
  Layer 1 w0.203: U1.6 5.02,13.154 v1(5.612,13.154)
  Layer 1 w0.381: v1(2.667,16.891) C3.1 3.934,16.902 3.934,17.469 3.099,18.304 L1.2
  Layer 4 w0.381: v1(2.667,16.891) 2.667,13.766 3.285,13.148 3.291,13.154 v1(5.612,13.154)
NetC3_2: C3.2 U1.1 | length 1.2
  Layer 1 w0.61: C3.2 5.014,16.822 U1.1
NetC12_1: C12.1 U5.2 | length 2.1
  Layer 1 w0.203: C12.1 15.605,2.905 16.237,3.537 U5.2
NetC12_2: C12.2 U5.1 | length 2.3
  Layer 1 w0.203: C12.2 14.605,2.921 15.587,3.903 U5.1
NetC13_2: C13.2 U5.3 | length 2
  Layer 1 w0.203: C13.2 16.887,2.52 U5.3
NetC14_1: C14.1 LED1.3 R13.2 | length 3.4
  Layer 1 w0.203: LED1.3 10.871,3.215 11.269,3.614 C14.1@12.656,3.614 ; C14.1 C14.1@12.656,3.614 ; R13.2 12.648,4.838 12.656,4.83 C14.1@12.656,3.614
NetC16_2: C16.2 U6.6 | length 2.8
  Layer 1 w0.203: C16.2@27.686,5.707 27.796,5.817 30.399,5.817 U6.6
NetC18_2: C18.2 R14.2 U5.15 U5.16 U5.17 | length 5.6
  Layer 1 w0.203: U5.17 U5.16 U5.15 24.631,9.652 C18.2 26.035,9.017 26.035,8.136 R14.2
NetD1_2: D1.2 R11.1 | length 2.6
  Layer 1 w0.152: R11.1 29.472,22.09 D1.2 D1.2@29.218,21.09
NetD2_2: D2.2 R12.1 | length 1.4
  Layer 1 w0.254: R12.1 35.703,21.717 D2.2
NetQ1_1: Q1.1 R9.1 | length 7.3
  Layer 1 w0.152: Q1.1 28.357,10.86 28.357,11.466 28.575,11.684 32.471,11.684 32.65,11.505 R9.1
NetQ2_1: Q2.1 R10.1 | length 1.5
  Layer 1 w0.203: R10.1 31.562,9.365 Q2.1
NetR3_2: R3.2 U1.4 | length 3.1
  Layer 1 w0.152: U1.4 3.215,13.047 3.215,12.329 4.163,11.382 R3.2
NetR4_2: R4.2 R5.1 U1.3 | length 6.3
  Layer 1 w0.203: R4.2 R5.1 2.032,15.51 2.27,15.748 U1.3
NetR6_1: R6.1 U2.5 | length 1.3
  Layer 4 w0.203: U2.5 23.826,13.851 R6.1
NetR14_1: R14.1 U5.18 | length 4.5
  Layer 1 w0.203: U5.18 22.087,9.409 22.479,9.017 24.675,9.017 25.191,8.501 R14.1
PWM1: U3.39 U5.27 | length 17.7
  Layer 1 w0.203: U5.27 16.25,10.259 16.25,11.274 16.233,11.257 16.237,11.254 v1(16.266,11.254) ; v1(24.194,12.002) 27.183,12.002 27.642,12.461 27.642,14.257 26.744,15.155 U3.39
  Layer 4 w0.203: v1(16.266,11.254) 16.266,11.308 17.124,12.167 21.552,12.167 21.717,12.002 v1(24.194,12.002)
PWM2: U3.24 U5.25 | length 5.5
  Layer 1 w0.152: U5.25 17.512,10.271 17.512,11.19 16.764,11.938 16.764,13.716 17.203,14.155 U3.24
PWM3: U3.34 U5.23 | length 7.2
  Layer 1 w0.203: U5.23 18.837,11.303 19.218,11.684 22.733,11.684 23.509,12.46 U3.34
RST: CON1.6 U3.22 | length 17.7
  Layer 1 w0.152: v1(15.608,14.835) 15.619,14.835 15.939,15.155 U3.22
  Layer 4 w0.152: CON1.6 8.513,16.514 11.083,19.084 15.875,19.084 17.145,17.815 17.145,16.372 v1(15.608,14.835)
RTS: Q1.2 R10.2 U6.13 | length 12.2
  Layer 1 w0.203: Q1.2 30.302,10.367 30.302,9.417 R10.2 30.467,9.252 30.467,8.657 v1(30.476,8.648) ; U6.13 33.643,4.838 34.073,4.408 v1(34.073,4.401)
  Layer 4 w0.152: v1(30.476,8.648) 32.576,8.648 32.814,8.41 32.814,3.76 33.052,3.521 33.835,3.521 34.073,3.76 v1(34.073,4.401)
SCLK: CON1.3 U3.17 | length 12.9
  Layer 1 w0.152: v1(16.637,17.272) 17.02,17.655 U3.17
  Layer 4 w0.152: CON1.3 8.735,15.014 9.615,14.134 14.066,14.134 16.637,16.705 v1(16.637,17.272)
TOUCH1: TP12.1 U3.12 | length 3
  Layer 1 w0.203: v1(17.272,19.95) 17.34,19.95 17.685,20.295 18.974,20.295 19.009,20.33 U3.12
  Layer 4 w0.203: v1(17.272,19.95) 17.32,19.902 17.32,19.079 TP12.1
U: TP20.1 U5.5 | length 4.3
  Layer 1 w0.406: U5.5 18.187,3.022 v1(18.415,2.794)
  Layer 4 w0.406: TP20.1 v1(18.415,2.794)
U0_RXD: TP10.1 U3.40 U6.4 | length 14.2
  Layer 1 w0.203: U3.40 25.294,15.621 v1(27.305,15.621) ; TP10.1 28.79,8.22 28.344,7.774 v1(28.344,7.719) 28.975,7.088 U6.4
  Layer 4 w0.203: v1(27.305,15.621) 27.305,14.697 28.071,13.931 28.071,8.061 28.344,7.788 v1(28.344,7.719)
U0_TXD: TP11.1 U3.41 U6.5 | length 14.5
  Layer 1 w0.203: U3.41 v1(26.543,16.155) ; TP11.1 26.919,7.269 27.598,7.269 v1(27.603,7.274) 28.554,6.323 30.42,6.323 U6.5
  Layer 4 w0.203: v1(26.543,16.155) 26.543,14.851 27.61,13.784 27.61,7.282 v1(27.603,7.274)
U1_RXD: CON2.2 U3.28 | length 15.9
  Layer 1 w0.152: v1(17.987,13.287) 18.597,12.677 20.47,12.677 20.534,12.74 20.534,13.381 U3.28
  Layer 4 w0.152: CON2.2 9.755,7.721 9.755,10.764 10.387,11.396 14.974,11.396 16.865,13.287 v1(17.987,13.287)
U1_TXD: CON2.1 U3.29 | length 15.7
  Layer 1 w0.152: v1(17.272,12.7) 17.275,12.7 17.603,12.372 20.781,12.372 20.985,12.576 20.985,13.381 U3.29
  Layer 4 w0.152: CON2.1 10.227,10.705 10.598,11.076 15.167,11.076 16.791,12.7 v1(17.272,12.7)
USB_DM: U6.8 U7.A7 U7.B7 | length 20.5
  Layer 1 w0.203: U6.8 29.476,4.838 29.238,4.6 29.238,3.057 29.476,2.819 34.352,2.819 35.027,3.494 35.027,6.952 36.002,7.927 38.362,7.927 38.632,8.197 v1(38.7,8.197) ; U7.B7 38.978,6.927 39.047,6.858 39.093,6.904 v1(39.093,6.924)
  Layer 4 w0.203: v1(38.7,8.197) 38.719,8.197 38.719,8.13 39.093,7.756 v1(39.093,6.924)
USB_DP: U6.7 U7.A6 U7.B6 | length 22.3
  Layer 1 w0.203: U6.7 29.235,5.338 28.883,4.985 28.883,2.702 29.121,2.464 34.5,2.464 35.433,3.397 35.433,6.784 36.076,7.427 U7.A6 36.794,7.468 39.078,7.468 39.316,7.706 39.316,8.525 39.078,8.763 38.1,8.763 37.812,8.475 36.801,8.475 U7.B6
V: TP21.1 U5.8 | length 2.4
  Layer 1 w0.406: U5.8 20.137,3.104 v1(21.082,2.159)
VUSB: C17.2 C19.2 U6.3 U6.9 U7.A4B9 U7.B4A9 | length 32.3
  Layer 1 w0.203: U6.9 31.185,4.073 31.185,3.413 31.423,3.175 34.128,3.175 34.606,3.654 34.606,8.088 ; U6.3 31.685,7.103 31.685,7.742 32.03,8.088 34.606,8.088 ; C17.2 35.941,12.589 35.941,11.747 35.248,11.054 35.248,11.03 34.95,10.732 C19.2 ; U7.A4B9 36.867,5.391 40.121,5.391 40.359,5.629 40.359,9.486 39.882,9.963 36.867,9.963 U7.B4A9 35.58,10.077 C19.2 ; 34.606,8.088 34.925,8.406 C19.2
W: TP22.1 U5.9 | length 5.6
  Layer 1 w0.406: U5.9@20.787,3.649 U5.9 ; U5.9@20.79,3.649 20.79,3.349 21.98,2.159 v1(25.146,2.159)
pads on no net: ANT1. D1. D2. LED1.1 LED1.4 U2.3 U3.5 U3.6 U3.7 U3.8 U3.10 U3.11 U3.13 U3.14 U3.18 U3.25 U3.26 U3.27 U3.31 U3.32 U3.33 U3.36 U3.44 U3.45 U3.47 U3.48 U4.3 U4.6 U5.21 U6.10 U6.11 U6.14 U6.15 U6.16 U7. U7.A5 U7.B8
copper on no net:
  other v1: 1.555,7.41

## Polygon pours and split planes (outlines as drawn)
GND on Layer 1 "GND_L01_P018" (solid, remove dead copper, pour order 18): -1.217,28.817 -0.328,29.706 46.408,29.706 46.408,1.639 43.36,-1.409 43.233,-1.282 -1.471,-1.282 -1.471,28.69 -1.217,28.944
GND on Layer 4 "GND_L02_P020" (solid, remove dead copper, pour order 20): -0.889,27.051 -0.635,26.797 45.72,26.797 45.72,-3.81 44.704,-4.826 42.164,-2.286 -2.794,-2.286 -2.794,25.019 -0.889,26.924

## Keep-outs
Keep-Out Layer:
  circle w0.1: c12.347,16.677 r1.6
  circle w0.1: c31.347,16.677 r1.6
  lines w0.1: 0.847,1.177 42.847,1.177 42.847,24.177 15.077,24.177 0.847,22.177 0.847,1.177

## Other copper
Layer 1:
  rectangle net 12V: 3.483,4.982 5.895,8.927
  pour cut-out: -1.016,24.765 11.049,24.892 17.526,24.892 17.526,21.336 17.399,21.209 -0.508,21.336
  pour cut-out: 19.009,20.405 24.509,20.405 25.259,19.655 25.259,14.155 24.509,13.405 19.009,13.405 18.259,14.155 18.259,19.655
  pour cut-out: 38,16.821 40.74,16.821 40.74,14.903 38,14.903
  pour cut-out: 3.648,21.055 3.648,17.457 5.771,17.457 5.969,17.655 5.969,21.209 3.802,21.209
Layer 4:
  pour cut-out: -1.016,24.765 11.049,24.892 17.526,24.892 17.526,21.336 17.399,21.209 -0.508,21.336

## Silkscreen, mask and mechanical layers (free items; w line width, h text height)
Bottom Overlay:
  rectangle: 1.016,3.696 5.672,4.607
  text "VIN:12V" at 6.908,7.784 h2.03
  text "wenzheng.club" at 32.512,6.604 h1.52
  text "+" at 2.509,6.126 h3.05 r90
  text "-" at 2.54,3.302 h3.05 r90
  text "U" at 18.35,1.953 h2.54
  text "W" at 27.601,1.953 h2.54
  text "V" at 22.929,1.859 h2.54